# Altium PCB PCB.PcbDoc (part 3 of 3)
Units mil, origin at the board's own origin, x right, y up, seen from the top; angles counter-clockwise.
Board outline 3148.02 x 1850.61 mil, 4 copper layers (Top Layer, Power, Signal, Bottom Layer), stack 74.892 mil thick; 183 components, 163 nets, 707 pads, 859 vias.
Unrouted connection lines stored in the file: 81.
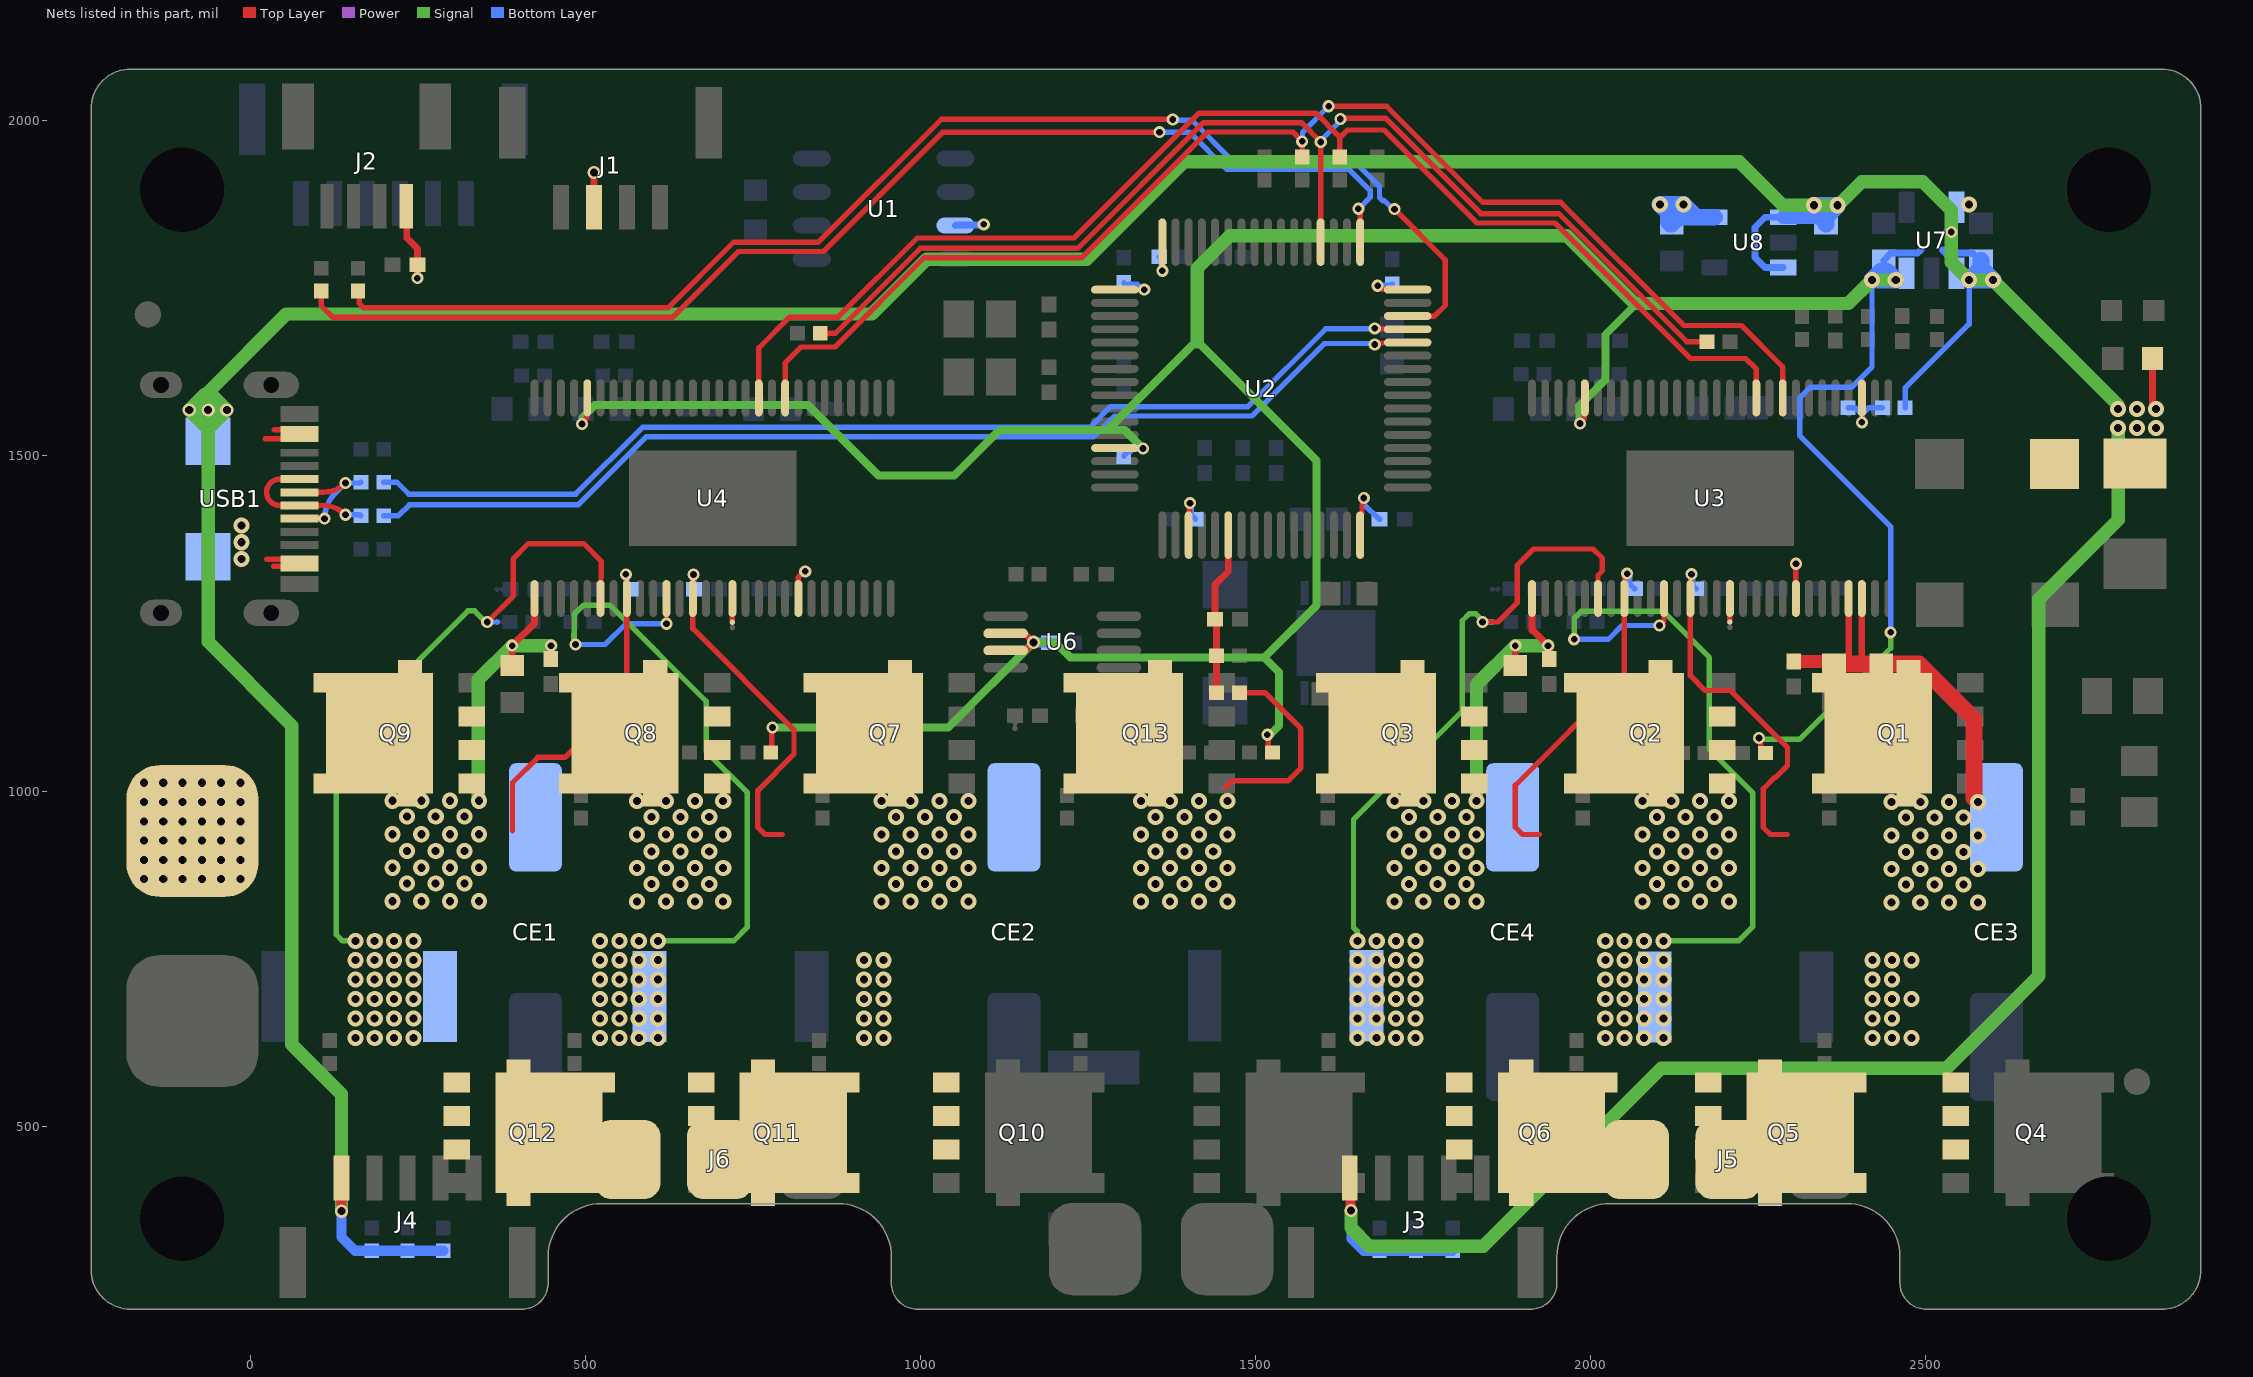
[diagram p5: the nets of this part, all layers, seen from the top]

## Via types
v1: diameter 24, hole 12, Top Layer to Bottom Layer, tented top, 470 vias
v2: diameter 18, hole 10, Top Layer to Bottom Layer, tented top, 182 vias
v3: diameter 20, hole 12, Top Layer to Bottom Layer, tented top, 107 vias
v4: diameter 24, hole 12, Top Layer to Bottom Layer, tented both sides, 66 vias
v5: diameter 18, hole 10, Top Layer to Bottom Layer, tented both sides, 31 vias
v6: diameter 20, hole 12, Top Layer to Bottom Layer, tented both sides, 2 vias
v7: diameter 16, hole 8, Top Layer to Bottom Layer, tented top, 1 vias

## Nets (pads, with @x,y where several pads share a name; then routed paths per layer and width w, separated by ;. In a path a pad name is that pad's centre, name@x,y a point inside that pad or via, vN(x,y) a via of type N, cw(c..) or ccw(c..) an arc to the next point about the centre after c; other vN are vias at no path point) (continued)
SH_B: C20.1 J5.2 Q2.S Q5.D U3.41 | length 541.8
  Top Layer w8: v5(2150.72,1323.56) 2149.58,1322.43 2149.58,1288.03 U3.41@2148.86,1287.3 2148.86,1172.06 2170.93,1149.99 2208.61,1149.99 2293.84,1064.75 2293.84,1038.01 2276.1,1020.27 2274.72,1020.27 2257.59,1003.14 2257.59,945.77 2268.33,935.04 2293.84,935.04
  Bottom Layer w8: v5(2150.72,1323.56) 2152.25,1322.03 2152.25,1307.19 C20.1@2157.64,1301.8
SH_B_nP: C34.1 J6.2 Q8.S Q11.D U4.41 | length 525.9
  Top Layer w8: v5(661.49,1323.08) 661.01,1322.6 661.01,1287.78 U4.41@660.52,1287.3 660.52,1242.29 811.49,1091.32 811.49,1055.01 757.51,1001.03 757.51,945.88 768.35,935.04 793.84,935.04
  Bottom Layer w8: v5(661.49,1323.08) 661.91,1322.66 661.91,1301.27 C34.1@662.33,1300.85
SH_C: C23.1 J5.1 Q3.S Q6.D U3.36 | length 516.2
  Top Layer w8: 1923.84,935.04 1898.62,935.04 1887.71,945.95 1887.71,1008.65 2050.43,1171.37 U3.36@2050.43,1287.3 2051.16,1288.03 2051.16,1318.88 2054.48,1322.2 v5(2054.48,1324.37)
  Bottom Layer w8: v5(2054.48,1324.37) 2054.48,1322.2 2058.4,1318.29 2058.4,1308.63 2065.22,1301.8 C23.1@2066.21,1301.8
SH_C_nP: C37.1 J6.1 Q9.S Q12.D U4.36 | length 500.9
  Top Layer w8: 391.46,940.26 391.46,1012.35 429.24,1050.13 469.58,1050.13 562.1,1142.65 U4.36@562.1,1287.3 561.37,1288.03 561.37,1322.36 v5(560.52,1323.21)
  Bottom Layer w8: C37.1@560.52,1301.45 562.05,1302.98 562.05,1321.68 v5(560.52,1323.21)
SL_A: NT5.1 Q4.S U3.44 | length 35.2
  Top Layer w8: NT5.1@2207.79,1252.11 2207.79,1287.18 U3.44@2207.91,1287.3
  other v1: 2420.9,631.66 2449.87,631.66 2478.84,631.66 2420.9,660.63 2449.87,660.63 2420.9,689.6 2449.87,689.6 2478.84,689.6 2420.9,718.57 2449.87,718.57 2420.9,747.54 2449.87,747.54 2478.84,747.54
SL_A_nP: NT10.2 Q10.S U4.44 | length 35.5
  Top Layer w8: NT10.2@719.58,1251.82 U4.44@719.58,1287.3
  other v1: 915.9,631.66 944.87,631.66 915.9,660.63 944.87,660.63 915.9,689.6 944.87,689.6 915.9,718.57 944.87,718.57 915.9,747.54 944.87,747.54
SL_B: NT1.2 Q5.S R23.2 U3.39 | length 1016.1
  Top Layer w8: v2(2102.7,1246.94) 2109.49,1253.72 U3.39@2109.49,1287.3 U3.39@2108.84,1286.65
  Signal w8: v2(1975.41,1226.48) 1975.41,1257.63 1986.17,1268.38 2107.78,1268.38 2177.14,1199.02 2177.14,1061.98 2242,997.12 2242,797.59 2220.92,776.51 v1(2108.84,776.51)
  Bottom Layer w8: v2(1975.41,1226.48) 2026.67,1226.48 2047.13,1246.94 v2(2102.7,1246.94)
  other v1: 2021.93,631.66 2050.9,631.66 2079.87,631.66 2108.84,631.66 2021.93,660.63 2050.9,660.63 2079.87,660.63 2108.84,660.63 2021.93,689.6 2050.9,689.6 2079.87,689.6 2108.84,689.6 2021.93,718.57 2050.9,718.57 2079.87,718.57 2108.84,718.57 2021.93,747.54 2050.9,747.54 2079.87,747.54 2108.84,747.54 2021.93,776.51 2050.9,776.51 2079.87,776.51
SL_B_nP: NT6.2 Q11.S R38.2 U4.39 | length 1013.9
  Top Layer w8: v2(621.15,1249.56) U4.39@621.15,1287.3
  Signal w8: v2(485.36,1218.62) 483.44,1220.54 483.44,1224.64 483.36,1224.72 483.36,1263.3 497.36,1277.29 536.98,1277.29 680.31,1133.96 680.31,1059.02 741.86,997.48 741.86,796.82 721.54,776.51 v1(608.84,776.51)
  Bottom Layer w8: NT6.2@483.36,1233.62 483.36,1220.62 v2(485.36,1218.62) 529.59,1218.62 560.53,1249.56 v2(621.15,1249.56)
  other v1: 521.93,631.66 550.9,631.66 579.87,631.66 608.84,631.66 521.93,660.63 550.9,660.63 579.87,660.63 608.84,660.63 521.93,689.6 550.9,689.6 579.87,689.6 608.84,689.6 521.93,718.57 550.9,718.57 579.87,718.57 608.84,718.57 521.93,747.54 550.9,747.54 579.87,747.54 608.84,747.54 521.93,776.51 550.9,776.51 579.87,776.51
SL_C: NT2.2 Q6.S R24.2 U3.34 | length 927.8
  Top Layer w8: v2(1838.7,1252.11) 1861.7,1252.11 1890.74,1281.16 1890.74,1336.91 1914.91,1361.08 2003.71,1361.08 2017.37,1347.42 2017.37,1328.22 2011.06,1321.91 U3.34@2011.06,1287.3
  Signal w8: v1(1651.93,776.51) 1651.93,790.59 1646.3,796.22 1646.3,957.27 1808.53,1119.49 1808.53,1254.05 1818.78,1264.3 1828.84,1264.3 1838.7,1254.45 v2(1838.7,1252.11)
  Bottom Layer w8: v2(1838.7,1252.11) NT2.2@1853.7,1252.11
  other v1: 1651.93,631.66 1680.9,631.66 1709.87,631.66 1738.84,631.66 1651.93,660.63 1680.9,660.63 1709.87,660.63 1738.84,660.63 1651.93,689.6 1680.9,689.6 1709.87,689.6 1738.84,689.6 1651.93,718.57 1680.9,718.57 1709.87,718.57 1738.84,718.57 1651.93,747.54 1680.9,747.54 1709.87,747.54 1738.84,747.54 1680.9,776.51 1709.87,776.51 1738.84,776.51
SL_C_nP: NT7.2 Q12.S R39.2 U4.34 | length 965.3
  Top Layer w8: v2(353.76,1252.25) 392.78,1291.27 392.78,1346.82 414.9,1368.94 497.85,1368.94 524.13,1342.66 524.13,1319.36 523.46,1318.69 523.46,1288.03 U4.34@522.73,1287.3
  Signal w8: v1(156.93,776.51) 137.79,776.51 128.53,785.76 128.53,1072.42 324.85,1268.74 334.89,1268.74 351.38,1252.25 v2(353.76,1252.25)
  Bottom Layer w8: v2(353.76,1252.25) NT7.2@368.76,1252.25
  other v1: 156.93,631.66 185.9,631.66 214.87,631.66 243.84,631.66 156.93,660.63 185.9,660.63 214.87,660.63 243.84,660.63 156.93,689.6 185.9,689.6 214.87,689.6 243.84,689.6 156.93,718.57 185.9,718.57 214.87,718.57 243.84,718.57 156.93,747.54 185.9,747.54 214.87,747.54 243.84,747.54 185.9,776.51 214.87,776.51 243.84,776.51
SPI_MISO: R18.1 R33.1 U2.52 | length 1770.7
  Top Layer w8: R33.1@850.64,1683.04 873.17,1683.04 999.97,1809.85 1235.17,1809.85 1422.62,1997.3 1568.58,1997.3 1597.38,1968.5 v2(1597.38,1968.42) 1597.29,1968.33 1597.29,1818.96 U2.52@1597.2,1818.87 ; v2(1626.67,2002.68) 1627.92,2003.93 1693.73,2003.93 1836.2,1861.46 1952.49,1861.46 2143.64,1670.31 R18.1@2173.71,1670.31
  Bottom Layer w8: v2(1597.38,1968.42) 1597.38,1970.43 1624.75,1997.8 1624.75,2000.76 v2(1626.67,2002.68)
SPI_MOSI: R53.1 U3.9 U4.9 | length 1949.1
  Top Layer w8: U4.9@798.32,1586.51 798.32,1638.59 822.15,1662.41 872.34,1662.41 1005.77,1795.85 1240.96,1795.85 1428.42,1983.3 1555.71,1983.3 v2(1569.71,1969.3) v2(1569.71,1969.3) R53.1@1569.66,1945.95 ; v2(1609.26,2021.68) 1695.78,2021.68 1838.98,1878.48 1955.27,1878.48 2139.12,1694.63 2225,1694.63 2286.65,1632.98 U3.9@2286.65,1586.51
  Bottom Layer w8: v2(1569.71,1969.3) 1570.1,1969.69 1570.1,1982.6 1609.18,2021.68 v2(1609.26,2021.68)
SPI_SCK: R52.1 U3.11 U4.11 | length 1947.9
  Top Layer w8: U4.11@758.95,1586.51 758.95,1661.35 804.57,1706.96 877.29,1706.96 995.36,1825.04 1229.51,1825.04 1415.77,2011.3 1590.06,2011.3 1624.74,1976.61 1627.47,1976.61 1637.02,1986.16 1691.7,1986.16 1830.4,1847.46 1946.69,1847.46 2148.75,1645.4 2231.44,1645.4 2247.28,1629.56 U3.11@2247.28,1586.51 ; R52.1@1625.63,1945.74 1625.63,1976.39
SWCLK: R6.2 U2.49 | length 1830.5
  Top Layer w8: R6.2@106.08,1745.86 106.08,1723.94 123.06,1706.96 630.69,1706.96 728.69,1804.96 855.49,1804.96 1033.56,1983.03 v2(1356.77,1983.03) ; v2(1653.42,1868.8) 1653.42,1866.09 1656.25,1863.26 U2.49@1656.25,1818.87
  Bottom Layer w8: v2(1356.77,1983.03) 1401.66,1983.03 1457.16,1927.53 1639.69,1927.53 1670.98,1896.24 1670.98,1885.51 1654.28,1868.8 v2(1653.42,1868.8)
SWDIO: R4.1 U2.46 | length 1985.6
  Top Layer w8: R4.1@160.99,1745.86 163,1743.85 163,1727.41 169.45,1720.96 623.59,1720.96 721.59,1818.96 848.11,1818.96 1031.18,2002.03 v2(1376.55,2002.03) ; v2(1707.53,1868.15) 1783.19,1792.49 1783.19,1724.63 1767.2,1708.63 U2.46@1727.12,1708.63
  Bottom Layer w8: v2(1376.55,2002.03) 1377.81,2000.76 1405.15,2000.76 1464.39,1941.53 1645.49,1941.53 1684.98,1902.04 1684.98,1885.57 1689.67,1880.88 1692.09,1880.88 1704.82,1868.15 v2(1707.53,1868.15)
USB_5V: D1.2 USB1.A4 USB1.A9 USB1.B4 USB1.B9 | length 178.3
  Top Layer w8: 22.24,1525.35 72.23,1525.35 USB1.A4@73.63,1526.75 ; 24.74,1345.64 USB1.A9@73.63,1345.64 ; 34.95,1335.43 71.84,1335.43 USB1.B4@73.63,1333.64 ; 35.64,1538.75 USB1.B9@73.63,1538.75
  other v1: -12.67,1346.47 -12.67,1371.16 -12.67,1395.85
USB_DN: R1.1 USB1.A7 USB1.B7 | length 216.6
  Top Layer w8: USB1.B7@73.63,1465.38 44.21,1465.38 ccw(c44.21,1445.7) 24.53,1445.7 ccw(c44.21,1445.7) 44.21,1426.01 USB1.A7@73.63,1426.01 109.06,1426.01 cw(c109.06,1378.97) v2(142.33,1412.24)
  Bottom Layer w8: v2(142.33,1412.24) 163.91,1412.24 R1.1@165.29,1410.85
USB_DP: R2.1 USB1.A6 USB1.B6 | length 198.8
  Top Layer w8: USB1.B6@73.63,1406.33 v2(110.98,1406.33) ; USB1.A6@73.63,1445.7 109.06,1445.7 ccw(c109.06,1492.75) v2(142.33,1459.48)
  Power w8: v2(110.98,1406.33) ccw(c110.98,1408.5) v2@112.51,1406.96
  Bottom Layer w8: v2(110.98,1406.33) cw(c163.6,1406.33) 126.39,1443.54 v2(142.33,1459.48) 163.91,1459.48 R2.1@165.29,1460.85
USB_N: R1.2 U2.44 | length 1636
  Top Layer w8: v2(1677.98,1666.25) 1680.69,1666.25 1682.97,1668.53 1726.39,1668.53 U2.44@1727.12,1669.26
  Bottom Layer w8: R1.2@199.37,1410.85 221.41,1410.85 237.56,1427 489.49,1427 591.15,1528.66 1258.89,1528.66 1289.78,1559.55 1494.56,1559.55 1602.71,1667.7 1676.54,1667.7 v2(1677.98,1666.25)
USB_P: R2.2 U2.45 | length 1638.2
  Top Layer w8: v2(1677.94,1690.25) 1678.59,1689.6 1726.47,1689.6 U2.45@1727.12,1688.95
  Bottom Layer w8: R2.2@199.37,1460.85 218.75,1460.85 236.7,1442.91 485.6,1442.91 585.35,1542.66 1253.09,1542.66 1283.98,1573.55 1488.76,1573.55 1604.91,1689.7 1677.38,1689.7 v2(1677.94,1690.25)
VBUS_S: C54.2 R50.1 R51.2 U2.22 | length 244.1
  Top Layer w10: R50.1@1441.77,1146.8 R51.2@1441.77,1201.8 1441.77,1253.92 C54.2@1439.72,1255.97 1439.72,1307.94 1459.4,1327.62 U2.22@1459.4,1381.86
VCC3V3_ASYS: C8.2 C50.2 C53.2 RT1.1 RT2.1 RT3.1 U2.13 U3.24 U4.24 U6.6 U6.7 U7.5 | length 5536.2
  Top Layer w8: v2(495.12,1547.57) 495.12,1550.27 502.32,1557.47 502.32,1585.78 U4.24@503.04,1586.51 ; RT2.1@776.76,1057.48 778.08,1058.81 778.08,1093.3 v5(779.4,1094.62) ; U2.13@1290.11,1511.78 1290.84,1511.05 v2(1332.13,1511.05) ; v5(1517.67,1083.98) 1519.2,1082.45 1519.2,1063.33 RT3.1@1525.11,1057.43 ; v2(1984.33,1548.2) 1984.33,1550.91 1990.65,1557.23 1990.65,1585.78 U3.24@1991.07,1586.2 ; v2(2251.41,1079.02) 2251.41,1076.31 2253.72,1074.01 2253.72,1063.43 2255.94,1061.21 2256.44,1061.21 RT1.1@2260.85,1056.8
  Top Layer w10: U6.7@1127.34,1209.74 1156.75,1209.74 v3(1168.81,1221.8) 1155.28,1235.33 U6.6@1127.34,1235.33
  Signal w8: v2(2251.41,1079.02) 2253.3,1077.13 2311.78,1077.13 2447.64,1212.99 v2(2447.64,1236.82)
  Signal w12: v2(495.12,1547.57) 496.26,1548.72 496.26,1557.61 514.72,1576.07 832.26,1576.07 937.58,1470.75 1050.45,1470.75 1118.18,1538.47 1279.14,1538.47 ; v5(779.4,1094.62) 1041.63,1094.62 v3(1168.81,1221.8) 1201.3,1221.8 1224.09,1199.02 1513.16,1199.02 ; v2(1332.13,1511.05) 1304.71,1538.47 1279.14,1538.47 ; v5(1517.67,1083.98) 1518.44,1084.74 1522.31,1084.74 1534.96,1097.39 1534.96,1177.22 1513.16,1199.02 ; v2(1984.33,1548.2) 1983.57,1548.95 1983.57,1574.92 2021.93,1613.28 2021.93,1680.72 2066.01,1724.8 2066.01,1727.33 ; 1279.14,1538.47 1411.22,1670.56 1413.32,1670.56 1590.95,1492.94 1590.95,1276.8 1513.16,1199.02
  Signal w20: 1413.32,1670.56 1413.32,1780.22 1461.54,1828.44 1964.9,1828.44 2066.01,1727.33 2384.67,1727.33 v1(2419.86,1762.52) v1(2455.29,1762.52)
  Bottom Layer w8: C8.2@1303.81,1499.4 1303.81,1500.38 1310.64,1507.21 1314.3,1507.21 1316.61,1509.52 1330.6,1509.52 v2(1332.13,1511.05) ; v1(2419.86,1762.52) 2419.86,1632.87 2389.16,1602.17 2327.54,1602.17 2311.88,1586.52 2311.88,1530.45 2447.64,1394.69 v2(2447.64,1236.82)
  Bottom Layer w10: 2442.79,1775.02 2437.58,1780.23 C53.2@2437.58,1792 2448.29,1802.71 2488.2,1802.71 2492.92,1807.42
  Bottom Layer w15: v3(1168.81,1221.8) 1191.12,1221.8 C50.2@1191.91,1221.01
  Bottom Layer w25: 2432.36,1775.02 v1(2419.86,1762.52) v1(2455.29,1762.52) 2442.79,1775.02
  other v4: 2564.86,1875.36
VCC3V3_SYS: C3.2 C4.2 C5.2 C6.2 C7.2 C56.2 C57.2 J1.3 J2.1 U1.3 U2.1 U2.19 U2.32 U2.48 U2.64 U3.49 U4.49 U8.5 | length 917.6
  Top Layer w8: U4.49@818.01,1287.3 818.01,1319.36 826.39,1327.74 v2(828.25,1327.74) ; U2.1@1290.11,1748 v2(1334.09,1748) ; U2.64@1360.98,1818.87 1361.04,1818.8 1361.04,1776.3 v2(1361.11,1776.23) ; U2.19@1400.35,1381.86 1401.08,1382.59 1401.08,1428.26 v2(1402.33,1429.52) ; U2.32@1656.25,1381.86 1656.25,1412.42 1658.89,1415.06 1658.89,1427.51 1659.7,1428.32 1659.7,1435.28 v2(1661.61,1437.2) ; v2(1682.36,1753.91) 1684.52,1753.91 1689.7,1748.73 1726.39,1748.73 U2.48@1727.12,1748 ; U3.49@2306.34,1287.3 v2(2306.34,1339.1)
  Top Layer w10: J2.1@232.87,1872.47 233.84,1871.49 233.84,1825.04 249.7,1809.18 C57.2@249.7,1784.94 249.57,1784.81 249.57,1765.31 v5(249.44,1765.18) ; J1.3@513.02,1847.43 v3(513.02,1922.8)
  Bottom Layer w8: C5.2@1303.81,1758.16 1309.97,1752 1309.97,1755.28 1310.64,1755.95 1323.44,1755.95 1331.39,1748 v2(1334.09,1748) ; C7.2@1356.41,1796.8 1359.71,1793.5 1359.19,1792.99 1359.19,1778.15 v2(1361.11,1776.23) ; v2(1402.33,1429.52) 1404.24,1427.6 1404.24,1411.91 C4.2@1410.48,1405.67 ; v2(1661.61,1437.2) 1662.2,1436.61 1662.2,1427.69 1684.22,1405.67 C3.2@1685.21,1405.67 ; v2(1682.36,1753.91) 1683.51,1755.06 1702.66,1755.06 C6.2@1703.81,1756.21
  Bottom Layer w10: U1.3@1052.54,1843.8 1053.39,1844.65 1093.77,1844.65 v2(1094.62,1845.5)
  Bottom Layer w25: C56.2@2121.09,1857.65 v1(2138.81,1875.36) ; U8.5@2184.91,1856.01 2158.16,1856.01 ; v1(2138.81,1875.36) 2158.16,1856.01 ; v1(2138.81,1875.36) v1(2103.38,1875.36) 2115.88,1862.86 2115.88,1849.42 2119.13,1846.17 C56.2@2121.09,1846.17 2130.93,1856.01 2158.16,1856.01
VCC5V0_SYS: C52.2 C55.2 CT1.1 D1.1 J3.1 J4.1 L1.2 R10.2 R49.2 R56.2 R57.2 R58.2 R59.2 R60.2 R61.2 U7.1 U7.3 U8.1 U8.3 | length 8074.1
  Top Layer w10: R49.2@2838.47,1645.45 2838.47,1574.82 v1(2843.33,1569.96)
  Top Layer w15: v6(136.32,373.22) J4.1@136.32,422.67 ; J3.1@1640.74,422.67 1641.6,421.8 1641.6,375.04 v6(1642.47,374.17)
  Signal w20: -67.31,1592.02 v3(-90.82,1568.51) ; v3@-61.19,1570 -61.19,1596.41 54.16,1711.75 927.36,1711.75 1009.11,1793.5 1248.39,1793.5 1393.95,1939.06 2221.55,1939.06 2286.64,1873.97 v1(2333.38,1873.97) v1(2368.46,1873.97) 2369.42,1873.97 2404.76,1909.31 2495.33,1909.31 2538.26,1866.38 v2(2538.26,1834.19) 2538.26,1789.12 v4(2564.86,1762.52) v4(2600.29,1762.52) 2786.35,1576.46 2786.35,1570.73 v1(2787.11,1569.96) ; -58.19,1592.02 v3(-34.68,1568.51) ; v6(136.32,373.22) 136.32,547.81 62.33,621.8 62.33,1097.65 -62.67,1222.65 -62.67,1540.52 ; v6(1642.47,374.17) 1642.47,348.28 1669.98,320.77 1840.04,320.77 2105.39,586.13 2531,586.13 2668.81,723.93 2668.81,1286.26 2787.11,1404.57 v1(2787.11,1541.85) ; v3(-90.82,1568.51) -67.65,1545.34 -62.67,1545.34 ; v3(-90.82,1568.51) v3(-62.67,1568.51) ; -62.67,1540.52 v3(-34.68,1568.51) ; -62.67,1540.52 -62.67,1545.34 ; -62.67,1545.34 v3(-62.67,1568.51) ; v3(-62.67,1568.51) v3(-34.68,1568.51)
  Bottom Layer w8: R10.2@2469.37,1571.8 2469.37,1601.07 2564.86,1696.56 v4(2564.86,1762.52) ; v2@2529.47,1834.2 v2@2538.24,1834.2
  Bottom Layer w10: U8.3@2287.28,1781.21 2260.19,1781.21 2245.33,1796.07 2245.33,1841.09 2260.26,1856.01 U8.1@2287.28,1856.01 ; 2525.02,1807.11 2529.38,1802.75 2564,1802.75 2569.86,1802.74 2573.04,1799.57 C52.2@2573.04,1798.53
  Bottom Layer w15: v6(136.32,373.22) 136.32,334.29 156.58,314.03 R60.2@234.75,314.03 R61.2@288.2,314.03 ; v6(1642.47,374.17) 1643.43,373.22 1643.43,331.75 1661.15,314.03 R57.2@1739.61,314.03 R58.2@1794.29,314.03
  Bottom Layer w20: U8.1@2287.28,1856.01 C55.2@2341.25,1856.01
  Bottom Layer w25: C55.2@2341.25,1856.01 2333.38,1863.89 v1(2333.38,1873.97) v1(2368.46,1873.97) 2351.09,1856.6 C55.2@2351.09,1846.17 ; C52.2@2582.58,1792 C52.2@2582.58,1780.23 ; C52.2@2582.58,1780.23 v4(2600.29,1762.52) v4(2564.86,1762.52) C52.2@2582.58,1780.23
  other v1: 2815.22,1541.85 2843.33,1541.85 2815.22,1569.96
VCC16V8_DCBUS: C13.2 C14.2 C15.2 C30.2 C31.2 C44.2 C45.2 CE1.1 CE2.1 CE3.1 CE4.1 J8.1 Q1.D Q2.D Q3.D Q7.D Q8.D Q9.D Q13.D R50.2 U3.29 U3.53 U3.54 U4.29 | length 1777.2
  Top Layer w8: 1455.09,1005.51 1464.76,1015.17 1548.42,1015.17 1567.64,1034.39 1567.64,1093.34 1514.18,1146.8 R50.2@1475.85,1146.8
  Top Layer w10: C45.2@390.98,1196.92 v2(390.98,1216.9) 424.3,1250.23 U4.29@424.3,1287.3 ; C44.2@448.81,1196.92 v2(448.81,1216.9) ; C31.2@1887.71,1196.92 v2(1887.71,1216.9) ; 1912.63,1239.14 U3.29@1912.63,1287.3 ; 1912.63,1240.77 v2(1936.5,1216.9) 1937.36,1216.04 1937.36,1198.1 C30.2@1938.55,1196.92 ; C14.2@2363.32,1189.36 2385.08,1189.36 U3.53@2385.08,1287.3 ; 2404.76,1189.36 U3.54@2404.76,1287.3
  Top Layer w20: C13.2@2303.38,1193.29 2359.39,1193.29 C14.2@2363.32,1189.36
  Top Layer w25: 2385.08,1189.36 2404.76,1189.36 C15.2@2433.81,1189.36 2490.29,1189.36 2572.09,1107.56 v1@2572.09,989.48
  Signal w20: v1@340.54,985.51 340.54,1166.46 v2(390.98,1216.9) v2(448.81,1216.9) ; v1(1829.78,985.04) 1829.78,1158.98 v2(1887.71,1216.9) v2(1936.5,1216.9)
  other v1: 2448.84,833.88 2491.92,833.88 2535,833.88 2578.08,833.88 577.3,835.04 620.38,835.04 663.46,835.04 705.86,835.04 942.3,835.04 985.38,835.04 1028.46,835.04 1071.54,835.04 1329.33,834.93 1372.41,834.93 1415.49,834.93 1458.57,834.93 1707.3,835.04 1750.38,835.04 1793.46,835.04 1829.78,835.04 2077.3,835.04 2120.38,835.04 2163.46,835.04 2206.54,835.04 212.3,835.51 255.38,835.51 298.46,835.51 341.54,835.51 2470.38,860.35 2513.46,860.35 2556.54,860.35 233.84,861.98 276.92,861.98 320,861.98 598.84,861.51 641.92,861.51 685,861.51 963.84,861.51 1006.92,861.51 1050,861.51 1350.87,861.4 1393.95,861.4 1437.03,861.4 1728.84,861.51 1771.92,861.51 1815,861.51 2098.84,861.51 2141.92,861.51 2185,861.51 -158.41,868.54 -129.65,868.54 -100.89,868.54 -72.13,868.54 -43.37,868.54 -14.61,868.54 2448.84,883.88 2491.92,883.88 2535,883.88 2578.08,883.88 577.3,885.04 620.38,885.04 663.46,885.04 705.86,885.04 942.3,885.04 985.38,885.04 1028.46,885.04 1071.54,885.04 1329.33,884.93 1372.41,884.93 1415.49,884.93 1458.57,884.93 1707.3,885.04 1750.38,885.04 1793.46,885.04 1829.78,885.04 2077.3,885.04 2120.38,885.04 2163.46,885.04 2206.54,885.04 212.3,885.51 255.38,885.51 298.46,885.51 341.54,885.51 -158.41,897.3 -129.65,897.3 -100.89,897.3 -72.13,897.3 -43.37,897.3 -14.61,897.3 2470.38,908.88 2513.46,908.88 2556.54,908.88 598.84,910.04 641.92,910.04 685,910.04 963.84,910.04 1006.92,910.04 1050,910.04 1350.87,909.93 1393.95,909.93 1437.03,909.93 1728.84,910.04 1771.92,910.04 1815,910.04 2098.84,910.04 2141.92,910.04 2185,910.04 233.84,910.51 276.92,910.51 320,910.51 -158.41,926.06 -129.65,926.06 -100.89,926.06 -72.13,926.06 -43.37,926.06 -14.61,926.06 2448.84,933.88 2491.92,933.88 2535,933.88 2578.08,933.88 577.3,935.04 620.38,935.04 663.46,935.04 705.86,935.04 942.3,935.04 985.38,935.04 1028.46,935.04 1071.54,935.04 1329.33,934.93 1372.41,934.93 1415.49,934.93 1458.57,934.93 1707.3,935.04 1750.38,935.04 1793.46,935.04 1829.78,935.04 2077.3,935.04 2120.38,935.04 2163.46,935.04 2206.54,935.04 212.3,935.51 255.38,935.51 298.46,935.51 341.54,935.51 -158.41,954.82 -129.65,954.82 -100.89,954.82 -72.13,954.82 -43.37,954.82 -14.61,954.82 2470.38,960.35 2513.46,960.35 2556.54,960.35 233.84,961.98 276.92,961.98 320,961.98 598.84,961.51 641.92,961.51 685,961.51 963.84,961.51 1006.92,961.51 1050,961.51 1350.87,961.4 1393.95,961.4 1437.03,961.4 1728.84,961.51 1771.92,961.51 1815,961.51 2098.84,961.51 2141.92,961.51 2185,961.51 -158.41,983.59 -129.65,983.59 -100.89,983.59 -72.13,983.59 -43.37,983.59 -14.61,983.59 2448.84,983.88 2491.92,983.88 2535,983.88 2578.08,983.88 577.3,985.04 620.38,985.04 663.46,985.04 705.86,985.04 942.3,985.04 985.38,985.04 1028.46,985.04 1071.54,985.04 1329.33,984.93 1372.41,984.93 1415.49,984.93 1458.57,984.93 1707.3,985.04 1750.38,985.04 1793.46,985.04 2077.3,985.04 2120.38,985.04 2163.46,985.04 2206.54,985.04 212.3,985.51 255.38,985.51 298.46,985.51 341.54,985.51 -158.41,1012.35 -129.65,1012.35 -100.89,1012.35 -72.13,1012.35 -43.37,1012.35 -14.61,1012.35
VSENSE: R10.1 R11.2 U3.3 | length 107.5
  Top Layer w8: v2(2404.76,1549.99) U3.3@2404.76,1586.51
  Bottom Layer w8: R11.2@2384.37,1571.8 2394.9,1571.8 2404.76,1561.93 ; v2(2404.76,1549.99) 2404.76,1561.93 ; R10.1@2435.29,1571.8 2414.63,1571.8 2404.76,1561.93
pads on no net: CE1.0 CE2.0 CE3.0 CE4.0 FID1.0 FID2.0 H1.1 H2.1 H3.1 H4.1 J1.5 J1.6 J2.5 J2.6 J3.6 J3.7 J4.6 J4.7 J9.7 J9.8 U1.5 U1.8 U3.4 U3.5 U3.55 U3.56 U4.1 U4.2 U4.3 U4.4 U4.5 U4.50 U4.51 U4.52 U4.53 U4.54 U4.56 U6.4 U7.4 USB1.A8 USB1.B8

## Polygon pours and split planes (outlines as drawn)
GND on Bottom Layer "GND_BOTTOM" (solid, remove dead copper, shelved, pour order 315): -178.29,226.8 405.43,226.8 ccw(c405.43,266.17) 444.8,266.17 444.8,305.54 cw(c523.54,305.54) 523.54,384.28 877.87,384.28 cw(c877.87,305.54) 956.61,305.54 956.61,266.17 ccw(c995.98,266.17) 995.98,226.8 1557.26,226.8 1910.43,226.8 ccw(c1910.43,266.17) 1949.8,266.17 1949.8,305.54 cw(c2028.54,305.54) 2028.54,384.28 2382.87,384.28 cw(c2382.87,305.54) 2461.61,305.54 2461.61,266.17 ccw(c2500.98,266.17) 2500.98,226.8 2851.62,226.8 2851.62,226.58 ccw(c2851.62,285.64) 2910.67,285.64 2910.67,2018.14 ccw(c2851.62,2018.14) 2851.62,2077.19 -178.29,2077.19 ccw(c-178.29,2018.14) -237.35,2018.14 -237.35,285.85 ccw(c-178.29,285.85)
PGND on Bottom Layer "Bottom Layer-PGND" (solid, remove dead copper, pour order 304): -190.67,562.76 -134.7,506.8 2644.65,506.8 2868.81,730.96 2868.81,926.31 2858.33,936.8 2785.9,936.8 2650.78,801.67 -141.29,801.67 -190.66,752.29
VCC5V0_SYS on Bottom Layer "VCC5V0_SYS_L04_P291" (solid, remove dead copper, pour order 291): -101.16,1572.77 -94.87,1579.06 -30.48,1579.06 -24.29,1572.88 -24.29,1491.66 -29.21,1486.74 -96.14,1486.74 -101.16,1491.76
VCC16V8_DCBUS on Bottom Layer "VCC16V8_DCBUS_L04_P138" (solid, remove dead copper, pour order 138): 2633.97,1076.78 -140.52,1076.78 -190.67,1026.64 -190.66,871.96 -140.22,821.51 2633.52,821.51 2685.34,873.32 2685.34,1026.55
SENSE_N on Bottom Layer "SENSE_N_L04_P269" (solid, remove dead copper, pour order 269): 1224.62,247.51 1295.35,247.51 ccw(c1295.35,281.41) 1329.25,281.41 1329.25,382.76 1191.46,382.76 1191.46,280.67 ccw(c1224.61,280.67)
USB_5V on Bottom Layer "USB_5V_L04_P282" (solid, remove dead copper, pour order 282): -9.66,1410.85 0.97,1400.22 0.97,1334.94 -19.87,1314.1 -96.14,1314.1 -96.14,1400.22 -85.51,1410.85
SL_B_nP on Bottom Layer "SL_B_NP_L04_P287" (solid, remove dead copper, pour order 287): 503.93,783.96 514.47,794.51 612.42,794.51 626.84,780.09 621.22,774.47 621.22,622.45 612.42,613.66 518.35,613.66 503.93,628.08
SL_C_nP on Bottom Layer "SL_C_NP_L04_P288" (solid, remove dead copper, pour order 288): 138.93,780.09 153.35,794.51 275.69,794.51 308.66,761.54 308.66,625.48 296.84,613.66 153.35,613.66 138.93,628.08
SL_C on Bottom Layer "SL_C_L04_P289" (solid, remove dead copper, pour order 289): 1633.93,780.09 1641.73,787.89 1641.73,791.77 1739.68,791.77 1742.42,794.51 1756.84,780.09 1756.84,628.08 1742.42,613.66 1648.35,613.66 1633.93,628.08
SL_B on Bottom Layer "SL_B_L04_P290" (solid, remove dead copper, pour order 290): 2003.93,780.09 2011.73,787.89 2011.73,791.77 2109.68,791.77 2112.42,794.51 2126.84,780.09 2126.84,628.08 2112.42,613.66 2018.35,613.66 2003.93,628.08
PGND on Top Layer "PGND_L01_P301" (solid, remove dead copper, pour order 301): 1587.25,1262.37 1657.38,1262.37 1677.61,1242.14 1677.61,1196.48 1657.09,1175.95 1586,1175.95 1565.37,1196.58 1565.37,1242.85
GND on Top Layer "GND_TOP" (solid, remove dead copper, shelved, pour order 316): -178.29,226.8 405.43,226.8 ccw(c405.43,266.17) 444.8,266.17 444.8,305.54 cw(c523.54,305.54) 523.54,384.28 877.87,384.28 cw(c877.87,305.54) 956.61,305.54 956.61,266.17 ccw(c995.98,266.17) 995.98,226.8 1557.26,226.8 1910.43,226.8 ccw(c1910.43,266.17) 1949.8,266.17 1949.8,305.54 cw(c2028.54,305.54) 2028.54,384.28 2382.87,384.28 cw(c2382.87,305.54) 2461.61,305.54 2461.61,266.17 ccw(c2500.98,266.17) 2500.98,226.8 2851.62,226.8 2851.62,226.58 ccw(c2851.62,285.64) 2910.67,285.64 2910.67,2018.14 ccw(c2851.62,2018.14) 2851.62,2077.19 -178.29,2077.19 ccw(c-178.29,2018.14) -237.35,2018.14 -237.35,285.85 ccw(c-178.29,285.85)
PGND on Top Layer "PGND_L01_P296" (solid, remove dead copper, pour order 296): 2791.7,991.05 2783.71,983.06 2783.71,923.51 2790.76,916.46 2846.9,916.46 2853.7,923.27 2853.7,983.27 2845.92,991.05
AGND on Top Layer "AGND_L01_P312" (solid, remove dead copper, pour order 312): 2782,1158.81 2763.91,1176.9 2721.01,1176.9 2713.96,1169.85 2713.96,1113.71 2720.76,1106.91 2764.12,1106.91 2782,1124.79
SH_A_nP on Top Layer "SH_A_NP_L01_P149" (solid, remove dead copper, pour order 149): 1178.53,949.8 1124.98,949.8 1124.98,814.57 1087.16,776.74 995.98,776.74 995.98,601.69 917.45,523.17 801.23,523.17 775.89,497.82 775.89,409.12 793.75,391.25 1042.32,391.25 1178.52,527.46
NetC47_1 on Top Layer "Top Layer-NetC47_1" (solid, remove dead copper, pour order 271): 1388.79,282.06 1423.24,247.61 1492.14,247.61 1526.59,285.64 1526.59,394.75 1566.49,434.66 1566.49,949.8 1505.62,949.8 1505.62,811.44 1470.92,776.74 1399.33,776.74 1388.79,766.21
NetC17_1 on Top Layer "Top Layer-NetC17_1" (solid, remove dead copper, pour order 280): 2320.12,1334.68 2436.75,1334.68 2485.58,1285.85 2485.58,1244.39 2556.44,1244.39 2556.44,1288.17 2556.44,1311.32 2544.67,1311.32 2490.19,1365.81 2490.19,1442.58 2498.06,1450.45 2557.11,1450.45 2557.11,1525.26 2460.34,1525.26 2320.12,1385.04
SH_B_nP on Top Layer "SH_B_NP_L01_P129" (solid, remove dead copper, pour order 129): 813.53,949.8 753.69,949.8 753.69,810.47 719.96,776.74 635.1,776.74 635.1,409.07 652.91,391.25 744.4,391.25 762.9,409.75 762.9,506.97 813.53,557.6
SH_C_nP on Top Layer "SH_C_NP_L01_P130" (solid, remove dead copper, pour order 130): 386.32,949.8 386.32,810.47 352.59,776.74 270.1,776.74 270.1,536 414.84,391.25 606.8,391.25 622.93,407.38 622.93,499.75 600.68,522 516.32,522 447.52,590.8 447.52,949.8
SH_C on Top Layer "SH_C_L01_P150" (solid, remove dead copper, pour order 150): 1883.86,949.8 1883.86,814.73 1845.87,776.74 1765.1,776.74 1765.1,538.43 1908.27,391.25 2102.7,391.25 2125.1,413.65 2125.1,492.55 2096.14,521.51 2007.67,521.51 1943.53,585.65 1943.53,949.8
SH_B on Top Layer "SH_B_L01_P151" (solid, remove dead copper, pour order 151): 2313.53,949.8 2253.56,949.8 2253.56,814.48 2215.82,776.74 2135.1,776.74 2135.1,414.34 2158.19,391.25 2243.43,391.25 2269.09,416.91 2269.09,512.79 2313.53,557.23
SH_A on Top Layer "SH_A_L01_P152" (solid, remove dead copper, pour order 152): 2683.53,949.8 2624.09,949.8 2624.09,811 2589.83,776.74 2505.1,776.74 2505.1,598.02 2428.59,521.51 2308.98,521.51 2279.17,491.7 2279.17,410.84 2298.76,391.25 2564.76,391.25 2683.53,510.02
SL_C_nP on Top Layer "SL_C_NP_L01_P162" (solid, remove dead copper, pour order 162): 257.93,619.86 257.93,793.72 143.84,793.72 143.84,619.86
SL_B_nP on Top Layer "SL_B_NP_L01_P275" (solid, remove dead copper, pour order 275): 622.93,619.86 622.93,793.72 508.84,793.72 508.84,619.86
PGND on Top Layer "PGND_L01_P281" (solid, remove dead copper, pour order 281): 987.93,619.86 987.93,793.72 873.84,793.72 873.84,619.86
PGND on Top Layer "PGND_L01_P285" (solid, remove dead copper, pour order 285): 1377.16,619.86 1377.16,793.72 1263.06,793.72 1263.06,619.86
SL_C on Top Layer "SL_C_L01_P276" (solid, remove dead copper, pour order 276): 1752.93,619.86 1752.93,793.72 1638.84,793.72 1638.84,619.86
SL_B on Top Layer "SL_B_L01_P277" (solid, remove dead copper, pour order 277): 2122.93,619.86 2122.93,793.72 2008.84,793.72 2008.84,619.86
PGND on Top Layer "PGND_L01_P286" (solid, remove dead copper, pour order 286): 2492.93,619.86 2492.93,793.72 2378.84,793.72 2378.84,619.86
VCC5V0_SYS on Top Layer "VCC5V0_SYS_L01_P278" (solid, remove dead copper, pour order 278): 2655.54,1525.26 2717.73,1525.26 2778.98,1586.51 2859.1,1586.51 2859.1,1451.2 2858.35,1450.45 2655.54,1450.45
USB_5V on Top Layer "USB_5V_L01_P279" (solid, remove dead copper, pour order 279): -11.91,1320.55 42.59,1320.55 42.59,1388.48 9.35,1421.72 9.35,1464.78 37.54,1492.98 37.54,1550.41 2.95,1550.41 -43.37,1504.09 -43.37,1352.01
VCC3V3_SYS on Signal "NONET_L03_P297" (solid, remove dead copper, shelved, pour order 297): 1306.1,1915.8 1275.2,1946.7 232.27,1946.7 211.3,1925.73 211.3,1761.6 263.81,1709.09 263.81,1438.18 662.75,1039.24 2116.49,1039.24 2521.94,1444.69 2521.94,1857.41 2463.55,1915.8
GND on Signal "GND_Signal" (solid, remove dead copper, shelved, pour order 314): -178.29,226.8 405.43,226.8 ccw(c405.43,266.17) 444.8,266.17 444.8,305.54 cw(c523.54,305.54) 523.54,384.28 877.87,384.28 cw(c877.87,305.54) 956.61,305.54 956.61,266.17 ccw(c995.98,266.17) 995.98,226.8 1557.26,226.8 1910.43,226.8 ccw(c1910.43,266.17) 1949.8,266.17 1949.8,305.54 cw(c2028.54,305.54) 2028.54,384.28 2382.87,384.28 cw(c2382.87,305.54) 2461.61,305.54 2461.61,266.17 ccw(c2500.98,266.17) 2500.98,226.8 2851.62,226.8 2851.62,226.58 ccw(c2851.62,285.64) 2910.67,285.64 2910.67,2018.14 ccw(c2851.62,2018.14) 2851.62,2077.19 -178.29,2077.19 ccw(c-178.29,2018.14) -237.35,2018.14 -237.35,285.85 ccw(c-178.29,285.85)
VCC5V0_SYS on Signal "VCC5V0_SYS_L03_P270" (solid, remove dead copper, pour order 270): 2857.33,1585.85 2857.33,1525.85 2783.58,1525.85 2772.09,1537.35 2772.09,1585.85
GND on Power "GND_Power" (solid, remove dead copper, shelved, pour order 313): -178.29,226.8 405.43,226.8 ccw(c405.43,266.17) 444.8,266.17 444.8,305.54 cw(c523.54,305.54) 523.54,384.28 877.87,384.28 cw(c877.87,305.54) 956.61,305.54 956.61,266.17 ccw(c995.98,266.17) 995.98,226.8 1557.26,226.8 1910.43,226.8 ccw(c1910.43,266.17) 1949.8,266.17 1949.8,305.54 cw(c2028.54,305.54) 2028.54,384.28 2382.87,384.28 cw(c2382.87,305.54) 2461.61,305.54 2461.61,266.17 ccw(c2500.98,266.17) 2500.98,226.8 2851.62,226.8 2851.62,226.58 ccw(c2851.62,285.64) 2910.67,285.64 2910.67,2018.14 ccw(c2851.62,2018.14) 2851.62,2077.19 -178.29,2077.19 ccw(c-178.29,2018.14) -237.35,2018.14 -237.35,285.85 ccw(c-178.29,285.85)
PGND on Power "Bottom Layer-PGND" (solid, remove dead copper, pour order 298): -190.67,562.76 -134.7,506.8 2636.93,506.8 2685.34,555.21 2685.34,752.24 2635.9,801.67 -141.29,801.67 -190.66,752.29
VCC16V8_DCBUS on Power "VCC16V8_DCBUS_L02_P233" (solid, remove dead copper, pour order 233): 2633.97,1076.78 -140.52,1076.78 -190.67,1026.64 -190.66,871.96 -140.22,821.51 2633.52,821.51 2685.34,873.32 2685.34,1026.55
AGND on Power "NONET_L02_P305" (solid, remove dead copper, shelved, pour order 305): 2451.01,1951.72 383.73,1951.72 208.81,1776.8 208.81,1076.78 2733.81,1076.78 2733.81,1668.91

## Other copper
Top Layer:
  pour cut-out: 2427.62,999.8 2405.88,999.8 2405.88,1025.73
  pour cut-out: 2604.78,984.96 2604.78,999.8 2644.16,999.8 2644.16,985.04
  pour cut-out: 1178.53,970.27 1178.53,949.8 1170.89,957.43 1170.89,959.97
Power:
  pour cut-out: 2660.49,1070.29 2666.99,1076.78 2740.31,1076.78 2740.31,1075.03 2691.83,1026.55
  pour cut-out: -197.16,871.96 -197.16,752.29 -141.29,812
  pour cut-out: 2691.81,881.86 2691.81,752.26 2635.9,808.17
Bottom Layer:
  pour cut-out: 2424.75,1098.31 2424.75,1076.78 2441.02,1076.78 2448.86,1084.62
  pour cut-out: -197.16,871.96 -197.16,755.05 -138.71,813.5

## Silkscreen, mask and mechanical layers (free items; w line width, h text height)
Top Overlay:
  drawing of 11 lines, arcs and shapes, not listed
  text "ODRIVE" at 1704.8,1932.57 h157.48
  text "M3" at 2561.84,1929.8 h40
  text "v3.5.2" at 1973.02,1849.43 h98.43
  text "M3" at -5.56,1758.15 h40
  text "SWD" at 248.62,1700.69 h98.43
  text "CAN" at 610.26,1700.69 h98.43
  text "PWR" at 2578.26,1670.63 h98.43
  text "USB" at 146.53,1328.3 h98.43 r270
  text "48V" at -207.09,1088.04 h157.48
  text "BATT" at 32.47,937.6 h98.43 r270
  text "VABZG" at 206.78,489.7 h59.06
  text "VABZG" at 1707.07,487.18 h59.06
  text "M1" at 351.21,478.01 h98.43
  text "M0" at 1851.5,475.49 h98.43
  text "M3" at 11,457 h40
  text "ENC1" at 351.21,436.43 h59.06
  text "M3" at 2575.21,434.79 h40
  text "ENC0" at 1851.5,433.91 h59.06
  text "AUX" at 971.54,344.69 h120
  text "10R" at 1055.88,303.34 h60
  text "R" at 971.54,294.69 h60
  text "50W" at 1056.69,253.37 h60
  text "P" at 971.54,244.69 h60
Bottom Overlay:
  drawing of 9 lines, arcs and shapes, not listed
  text "Designed by: Sandman Zhang / Date: 2023/12/14" at 1934.87,1884.31 h39.37
  text "M0" at 1846.44,501.88 h59.06
  text "M1" at 351.44,499.88 h59.06
  text "A" at 1700.18,436.24 h29.53
  text "B" at 1736.57,436.24 h29.53
  text "Z" at 1778.84,436.24 h29.53
  text "A" at 205.18,434.24 h29.53
  text "B" at 241.57,434.24 h29.53
  text "Z" at 283.84,434.24 h29.53
  text "5V" at 1621.97,426.61 h29.53 r270
  text "5V" at 126.97,424.61 h29.53 r270
  text "GND" at 1801.97,415.55 h29.53 r270
  text "GND" at 306.97,413.55 h29.53 r270
Top Paste:
  rectangle: 2481.36,903.12 2544.35,985.8
Mechanical 1:
  lines w7.87: 2851.62,226.58 ccw(c2851.62,285.64) 2910.67,285.64 2910.67,2018.14 ccw(c2851.62,2018.14) 2851.62,2077.19 -178.29,2077.19 ccw(c-178.29,2018.14) -237.35,2018.14 -237.35,285.85 ccw(c-178.29,285.85) -178.29,226.8 405.43,226.8 ccw(c405.43,266.17) 444.8,266.17 444.8,305.54 cw(c523.54,305.54) 523.54,384.28 877.87,384.28 cw(c877.87,305.54) 956.61,305.54 956.61,266.17 ccw(c995.98,266.17) 995.98,226.8 1557.26,226.8 1910.43,226.8 ccw(c1910.43,266.17) 1949.8,266.17 1949.8,305.54 cw(c2028.54,305.54) 2028.54,384.28 2382.87,384.28 cw(c2382.87,305.54) 2461.61,305.54 2461.61,266.17 ccw(c2500.98,266.17) 2500.98,226.8 2851.62,226.8